# Altium PCB Lancelot.PcbDoc (part 7 of 14)
Units mil, origin at the board's own origin, x right, y up, seen from the top; angles counter-clockwise.
Board outline 4837.61 x 3252.61 mil, 6 copper layers (Top Layer, Mid-Layer 1, Mid-Layer 2, Mid-Layer 3, Mid-Layer 4, Bottom Layer); 372 components, 275 nets, 2062 pads, 1350 vias.
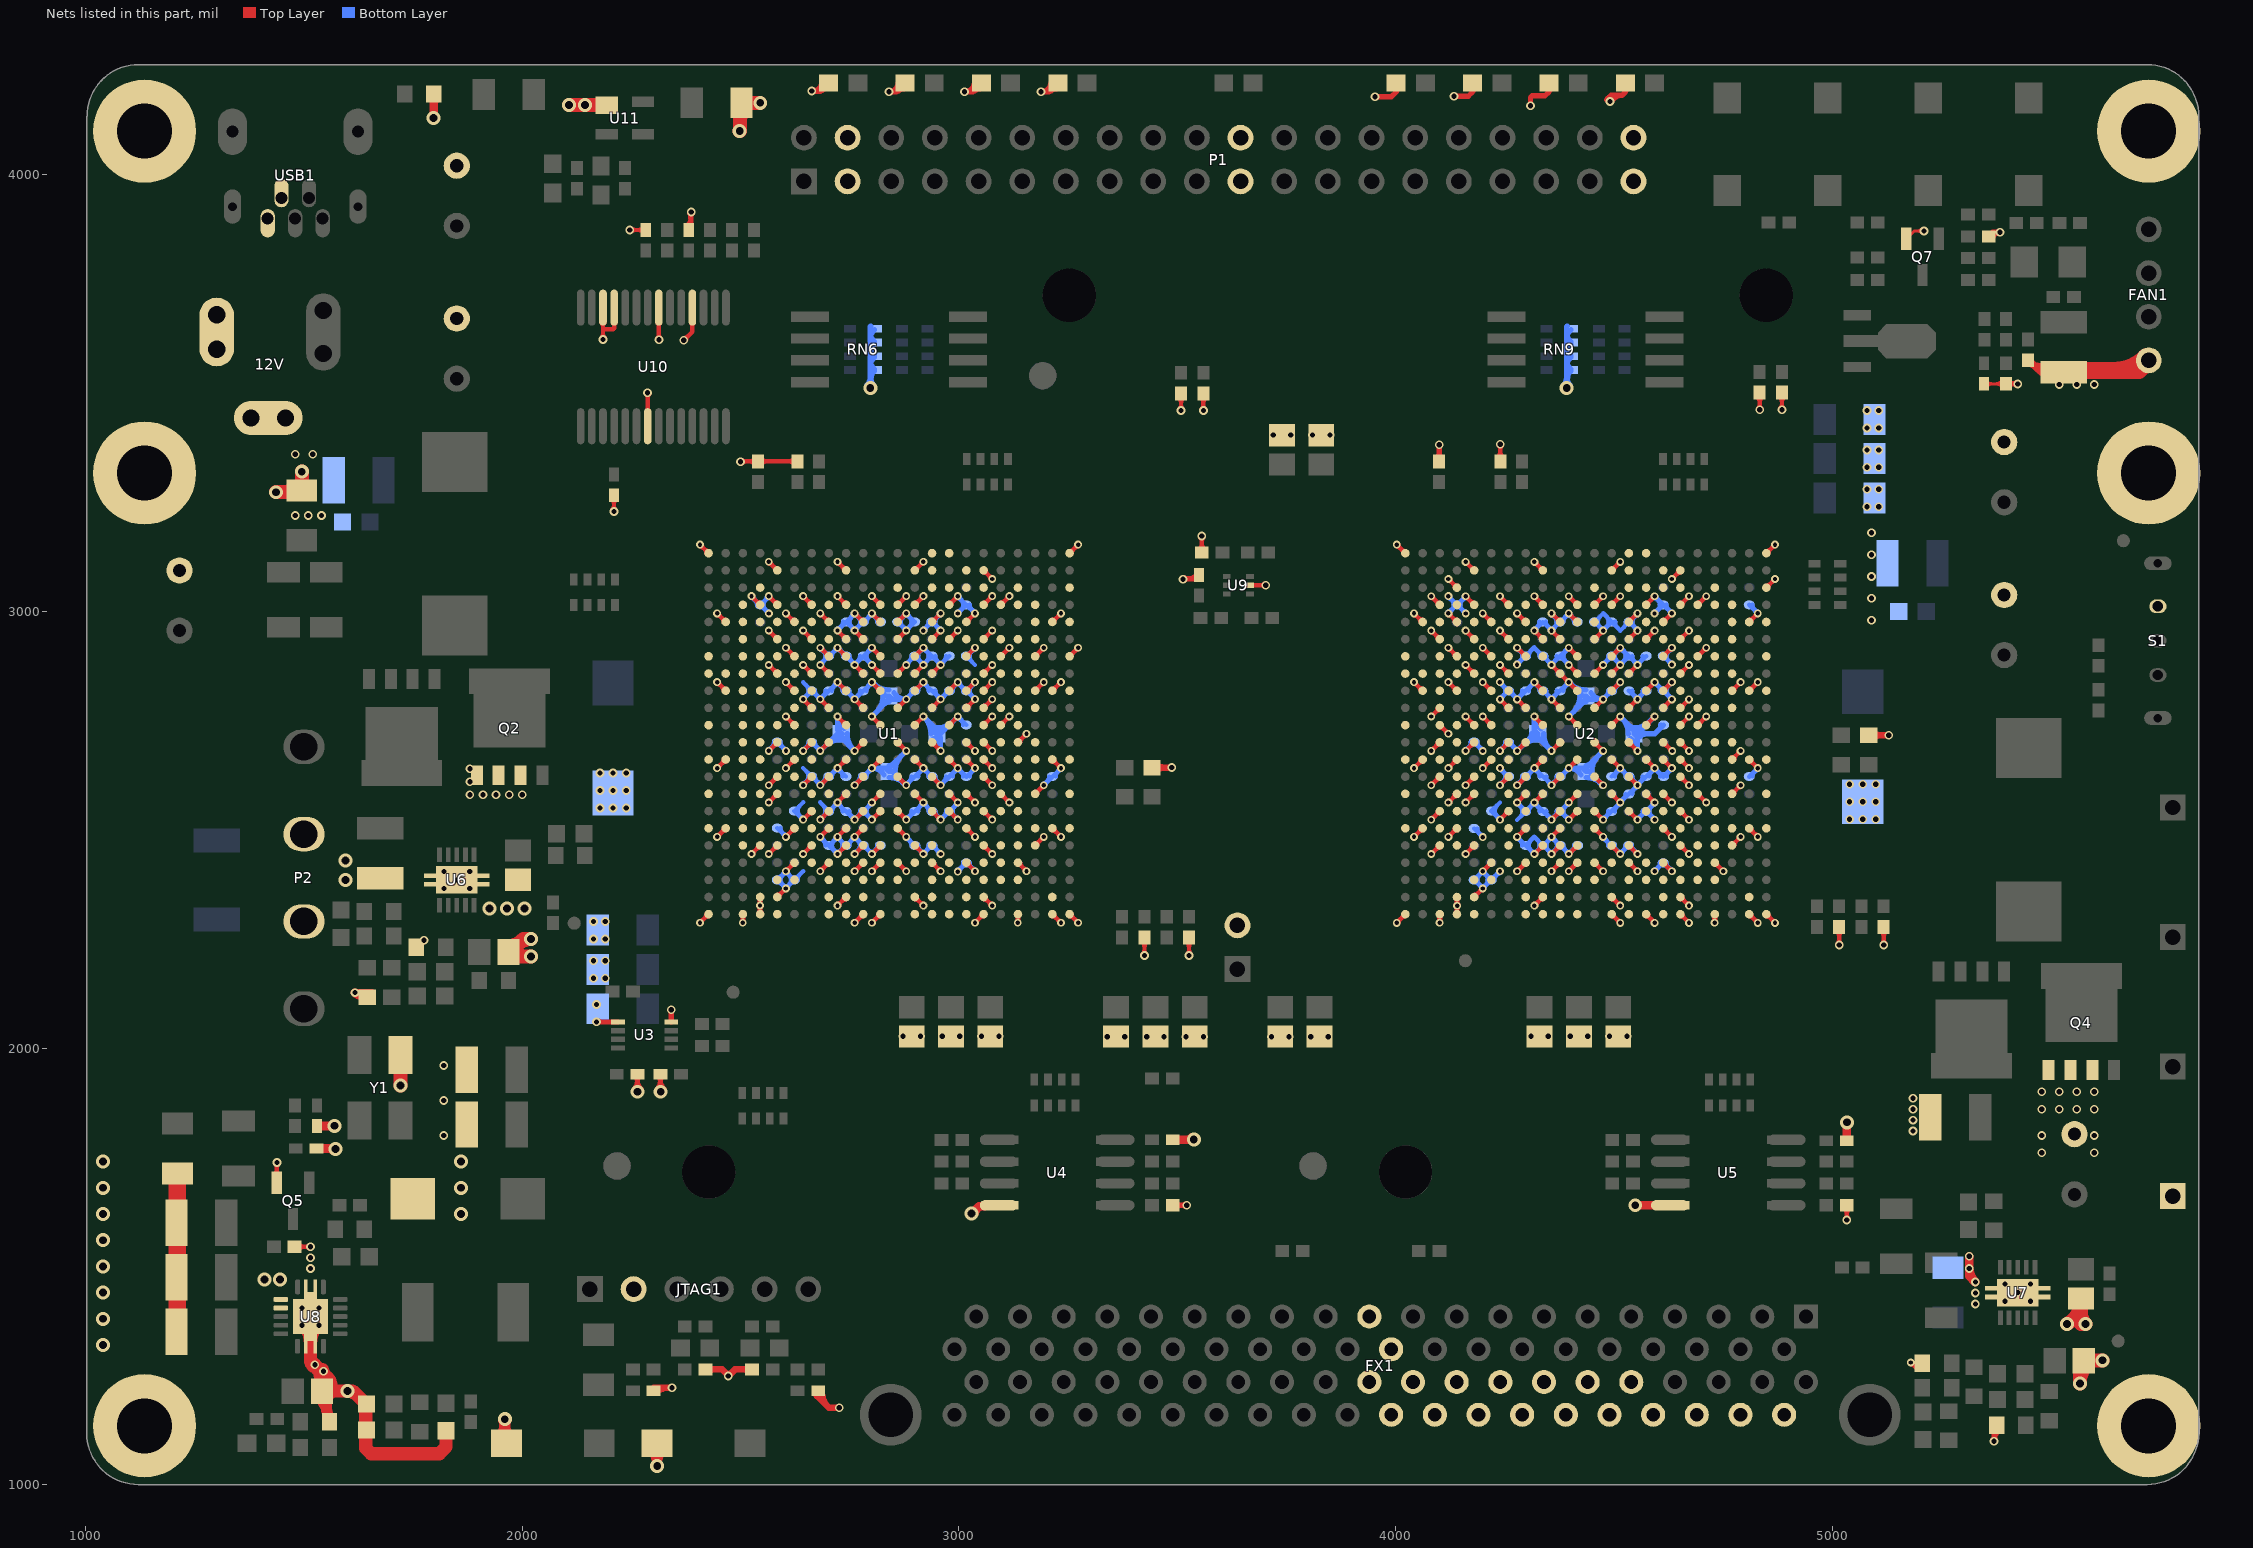
[diagram p11: the nets of this part, all layers, seen from the top]

## Via types
v1: diameter 18, hole 10, Top Layer to Bottom Layer, tented both sides, 625 vias
v2: diameter 20, hole 12, Top Layer to Bottom Layer, tented both sides, 515 vias
v3: diameter 32, hole 18, Top Layer to Bottom Layer, tented both sides, 191 vias
v4: diameter 23.62, hole 11.81, Top Layer to Bottom Layer, tented bottom, 10 vias
v5: diameter 19.68, hole 11.81, Top Layer to Bottom Layer, tented bottom, 4 vias
v6: diameter 118.11, hole 118.11, Top Layer to Bottom Layer, tented bottom, 2 vias
v7: diameter 78.74, hole 78.74, Top Layer to Bottom Layer, tented bottom, 2 vias
v8: diameter 50, hole 28, Top Layer to Bottom Layer, tented both sides, 1 vias

## Nets (pads, with @x,y where several pads share a name; then routed paths per layer and width w, separated by ;. In a path a pad name is that pad's centre, name@x,y a point inside that pad or via, vN(x,y) a via of type N, cw(c..) or ccw(c..) an arc to the next point about the centre after c; other vN are vias at no path point) (continued)
GND: (continued)
  Top Layer w10: U2.AA4@4137.29,2342.49 cw(c4129.03,2334.22) 4140.72,2334.22 cw(c4152.41,2334.22) U2.AA4@4144.14,2342.49 ; v1@4138.01,2328.66 ccw(c4131.3,2334.64) U2.AA4@4139.98,2336.97 ; v1@4140.72,2326.28 U2.AA4@4140.72,2345.91 ; U2.AA4@4140.72,2336.34 ccw(c4151.34,2336.34) v1@4143.83,2328.83 ; 4141.21,2336.05 ccw(c4147.62,2334.33) v1@4143.49,2329.13 ; v1(4160.4,2444.34) U2.V5@4180.09,2464.02 ; v1@4160.4,2448.34 ccw(c4160.4,2457.99) 4167.23,2451.17 ccw(c4174.06,2444.34) v1@4164.4,2444.34 ; v1(4160.4,2562.45) U2.R5@4180.09,2582.13 ; v1@4160.4,2566.45 ccw(c4160.4,2576.1) 4167.23,2569.28 ccw(c4174.06,2562.45) v1@4164.4,2562.45 ; v1(4160.4,2601.82) U2.P5@4180.09,2621.5 ; v1@4160.4,2605.82 ccw(c4160.4,2615.47) 4167.23,2608.65 ccw(c4174.06,2601.82) v1@4164.4,2601.82 ; v1(4160.4,2680.56) U2.M5@4180.09,2700.24 ; v1@4160.4,2684.56 ccw(c4160.4,2694.22) 4167.23,2687.39 ccw(c4174.06,2680.56) v1@4164.4,2680.56 ; v1@4160.4,2755.3 cw(c4160.4,2745.64) 4167.23,2752.47 cw(c4174.06,2759.3) v1@4164.4,2759.3 ; v1(4160.4,2759.3) U2.L5@4180.09,2739.61 ; v1@4160.4,2873.41 cw(c4160.4,2863.75) 4167.23,2870.58 cw(c4174.06,2877.41) v1@4164.4,2877.41 ; v1(4160.4,2877.41) U2.H5@4180.09,2857.72 ; v1@4160.4,2952.15 cw(c4160.4,2942.49) 4167.23,2949.32 cw(c4174.06,2956.15) v1@4164.4,2956.15 ; v1(4160.4,2956.15) U2.F5@4180.09,2936.46 ; v1@4160.4,3030.89 cw(c4160.4,3021.23) 4167.23,3028.06 cw(c4174.06,3034.89) v1@4164.4,3034.89 ; v1(4160.4,3034.89) U2.D5@4180.09,3015.2 ; v1@4160.4,3109.63 cw(c4160.4,3099.97) 4167.23,3106.8 cw(c4174.06,3113.63) v1@4164.4,3113.63 ; v1(4160.4,3113.63) U2.B5@4180.09,3093.94 ; U2.V5@4175.24,2464.02 cw(c4163.55,2464.02) 4171.82,2455.76 cw(c4180.09,2447.49) U2.V5@4180.09,2459.18 ; U2.R5@4175.24,2582.13 cw(c4163.55,2582.13) 4171.82,2573.87 cw(c4180.09,2565.6) U2.R5@4180.09,2577.29 ; U2.P5@4175.24,2621.5 cw(c4163.55,2621.5) 4171.82,2613.24 cw(c4180.09,2604.97) U2.P5@4180.09,2616.66 ; U2.M5@4175.24,2700.24 cw(c4163.55,2700.24) 4171.82,2691.98 cw(c4180.09,2683.71) U2.M5@4180.09,2695.4 ; U2.L5@4175.24,2739.61 ccw(c4163.55,2739.61) 4171.82,2747.88 ccw(c4180.09,2756.15) U2.L5@4180.09,2744.46 ; U2.H5@4175.24,2857.72 ccw(c4163.55,2857.72) 4171.82,2865.99 ccw(c4180.09,2874.26) U2.H5@4180.09,2862.57 ; U2.F5@4175.24,2936.46 ccw(c4163.55,2936.46) 4171.82,2944.73 ccw(c4180.09,2953) U2.F5@4180.09,2941.31 ; U2.D5@4175.24,3015.2 ccw(c4163.55,3015.2) 4171.82,3023.47 ccw(c4180.09,3031.74) U2.D5@4180.09,3020.05 ; U2.B5@4175.24,3093.94 ccw(c4163.55,3093.94) 4171.82,3102.21 ccw(c4180.09,3110.48) U2.B5@4180.09,3098.79 ; U2.AA5@4180.09,2345.91 v1(4199.77,2365.6) ; U2.AA5@4180.09,2350.76 ccw(c4180.09,2362.45) 4188.35,2354.18 ccw(c4196.62,2345.91) U2.AA5@4184.93,2345.91 ; v1@4195.77,2365.6 cw(c4186.12,2365.6) 4192.94,2358.77 cw(c4199.77,2351.94) v1@4199.77,2361.6 ; v1(4199.77,2404.97) U2.W6@4219.46,2424.65 ; v1@4199.77,2408.97 ccw(c4199.77,2418.62) 4206.6,2411.8 ccw(c4213.43,2404.97) v1@4203.77,2404.97 ; v1(4199.77,2641.19) U2.N6@4219.46,2660.87 ; v1@4199.77,2645.19 ccw(c4199.77,2654.84) 4206.6,2648.02 ccw(c4213.43,2641.19) v1@4203.77,2641.19 ; v1@4199.77,2755.3 cw(c4199.77,2745.64) 4206.6,2752.47 cw(c4213.43,2759.3) v1@4203.77,2759.3 ; v1(4199.77,2759.3) U2.L6@4219.46,2739.61 ; v1@4199.77,2834.04 cw(c4199.77,2824.38) 4206.6,2831.21 cw(c4213.43,2838.04) v1@4203.77,2838.04 ; v1(4199.77,2838.04) U2.J6@4219.46,2818.35 ; v1@4199.77,2912.78 cw(c4199.77,2903.12) 4206.6,2909.95 cw(c4213.43,2916.78) v1@4203.77,2916.78 ; v1(4199.77,2916.78) U2.G6@4219.46,2897.09 ; v1@4199.77,2991.52 cw(c4199.77,2981.86) 4206.6,2988.69 cw(c4213.43,2995.52) v1@4203.77,2995.52 ; v1(4199.77,2995.52) U2.E6@4219.46,2975.83 ; U2.W6@4214.61,2424.65 cw(c4202.92,2424.65) 4211.19,2416.39 cw(c4219.46,2408.12) U2.W6@4219.46,2419.81 ; U2.N6@4214.61,2660.87 cw(c4202.92,2660.87) 4211.19,2652.61 cw(c4219.46,2644.34) U2.N6@4219.46,2656.03 ; U2.L6@4214.61,2739.61 ccw(c4202.92,2739.61) 4211.19,2747.88 ccw(c4219.46,2756.15) U2.L6@4219.46,2744.46 ; U2.J6@4214.61,2818.35 ccw(c4202.92,2818.35) 4211.19,2826.62 ccw(c4219.46,2834.89) U2.J6@4219.46,2823.2 ; U2.G6@4214.61,2897.09 ccw(c4202.92,2897.09) 4211.19,2905.36 ccw(c4219.46,2913.63) U2.G6@4219.46,2901.94 ; U2.E6@4214.61,2975.83 ccw(c4202.92,2975.83) 4211.19,2984.1 ccw(c4219.46,2992.37) U2.E6@4219.46,2980.68 ; R88.2@4233.79,3351.8 ccw(c4218.8,3366.79) 4240,3366.79 ccw(c4261.2,3366.79) R88.2@4246.21,3351.8 ; v2@4236.46,3379.46 cw(c4227.93,3370.93) 4240,3370.93 cw(c4252.07,3370.93) v2@4243.54,3379.46 ; v1(4239.14,2523.08) U2.T7@4258.83,2542.76 ; v1@4239.14,2527.08 ccw(c4239.14,2536.73) 4245.97,2529.91 ccw(c4252.8,2523.08) v1@4243.14,2523.08 ; v1(4239.14,2601.82) U2.P7@4258.83,2621.5 ; v1@4239.14,2605.82 ccw(c4239.14,2615.47) 4245.97,2608.65 ccw(c4252.8,2601.82) v1@4243.14,2601.82 ; v1(4239.14,2680.56) U2.M7@4258.83,2700.24 ; v1@4239.14,2684.56 ccw(c4239.14,2694.22) 4245.97,2687.39 ccw(c4252.8,2680.56) v1@4243.14,2680.56 ; v1@4239.14,2794.67 cw(c4239.14,2785.01) 4245.97,2791.84 cw(c4252.8,2798.67) v1@4243.14,2798.67 ; v1(4239.14,2798.67) U2.K7@4258.83,2778.98 ; v1@4239.14,2873.41 cw(c4239.14,2863.75) 4245.97,2870.58 cw(c4252.8,2877.41) v1@4243.14,2877.41 ; v1(4239.14,2877.41) U2.H7@4258.83,2857.72 ; v1@4239.14,2952.15 cw(c4239.14,2942.49) 4245.97,2949.32 cw(c4252.8,2956.15) v1@4243.14,2956.15 ; v1(4239.14,2956.15) U2.F7@4258.83,2936.46 ; v1@4239.14,3030.89 cw(c4239.14,3021.23) 4245.97,3028.06 cw(c4252.8,3034.89) v1@4243.14,3034.89 ; v1(4239.14,3034.89) U2.D7@4258.83,3015.2 ; R88.2@4240,3343.62 v2(4240,3383) ; U2.T7@4253.98,2542.76 cw(c4242.29,2542.76) 4250.56,2534.5 cw(c4258.83,2526.23) U2.T7@4258.83,2537.92 ; U2.P7@4253.98,2621.5 cw(c4242.29,2621.5) 4250.56,2613.24 cw(c4258.83,2604.97) U2.P7@4258.83,2616.66 ; U2.M7@4253.98,2700.24 cw(c4242.29,2700.24) 4250.56,2691.98 cw(c4258.83,2683.71) U2.M7@4258.83,2695.4 ; U2.K7@4253.98,2778.98 ccw(c4242.29,2778.98) 4250.56,2787.25 ccw(c4258.83,2795.52) U2.K7@4258.83,2783.83 ; U2.H7@4253.98,2857.72 ccw(c4242.29,2857.72) 4250.56,2865.99 ccw(c4258.83,2874.26) U2.H7@4258.83,2862.57 ; U2.F7@4253.98,2936.46 ccw(c4242.29,2936.46) 4250.56,2944.73 ccw(c4258.83,2953) U2.F7@4258.83,2941.31 ; U2.D7@4253.98,3015.2 ccw(c4242.29,3015.2) 4250.56,3023.47 ccw(c4258.83,3031.74) U2.D7@4258.83,3020.05 ; v1(4278.51,2404.97) U2.W8@4298.2,2424.65 ; v1@4278.51,2408.97 ccw(c4278.51,2418.62) 4285.34,2411.8 ccw(c4292.17,2404.97) v1@4282.51,2404.97 ; v1(4278.51,2483.71) U2.U8@4298.2,2503.39 ; v1@4278.51,2487.71 ccw(c4278.51,2497.36) 4285.34,2490.54 ccw(c4292.17,2483.71) v1@4282.51,2483.71 ; v1(4278.51,2562.45) U2.R8@4298.2,2582.13 ; v1@4278.51,2566.45 ccw(c4278.51,2576.1) 4285.34,2569.28 ccw(c4292.17,2562.45) v1@4282.51,2562.45 ; v1(4278.51,2601.82) U2.P8@4298.2,2621.5 ; v1@4278.51,2605.82 ccw(c4278.51,2615.47) 4285.34,2608.65 ccw(c4292.17,2601.82) v1@4282.51,2601.82 ; v1(4278.51,2680.56) U2.M8@4298.2,2700.24 ; v1@4278.51,2684.56 ccw(c4278.51,2694.22) 4285.34,2687.39 ccw(c4292.17,2680.56) v1@4282.51,2680.56 ; v1@4278.51,2794.67 cw(c4278.51,2785.01) 4285.34,2791.84 cw(c4292.17,2798.67) v1@4282.51,2798.67 ; v1(4278.51,2798.67) U2.K8@4298.2,2778.98 ; v1@4278.51,2912.78 cw(c4278.51,2903.12) 4285.34,2909.95 cw(c4292.17,2916.78) v1@4282.51,2916.78 ; v1(4278.51,2916.78) U2.G8@4298.2,2897.09 ; v1@4278.51,2991.52 cw(c4278.51,2981.86) 4285.34,2988.69 cw(c4292.17,2995.52) v1@4282.51,2995.52 ; v1(4278.51,2995.52) U2.E8@4298.2,2975.83 ; U2.W8@4293.35,2424.65 cw(c4281.66,2424.65) 4289.93,2416.39 cw(c4298.2,2408.12) U2.W8@4298.2,2419.81 ; U2.U8@4293.35,2503.39 cw(c4281.66,2503.39) 4289.93,2495.13 cw(c4298.2,2486.86) U2.U8@4298.2,2498.55 ; U2.R8@4293.35,2582.13 cw(c4281.66,2582.13) 4289.93,2573.87 cw(c4298.2,2565.6) U2.R8@4298.2,2577.29 ; U2.P8@4293.35,2621.5 cw(c4281.66,2621.5) 4289.93,2613.24 cw(c4298.2,2604.97) U2.P8@4298.2,2616.66 ; U2.M8@4293.35,2700.24 cw(c4281.66,2700.24) 4289.93,2691.98 cw(c4298.2,2683.71) U2.M8@4298.2,2695.4 ; U2.K8@4293.35,2778.98 ccw(c4281.66,2778.98) 4289.93,2787.25 ccw(c4298.2,2795.52) U2.K8@4298.2,2783.83 ; U2.G8@4293.35,2897.09 ccw(c4281.66,2897.09) 4289.93,2905.36 ccw(c4298.2,2913.63) U2.G8@4298.2,2901.94 ; U2.E8@4293.35,2975.83 ccw(c4281.66,2975.83) 4289.93,2984.1 ccw(c4298.2,2992.37) U2.E8@4298.2,2980.68 ; v1(4317.88,2326.23) U2.AA9@4337.57,2345.91 ; v1@4317.88,2330.23 ccw(c4317.88,2339.88) 4324.71,2333.06 ccw(c4331.54,2326.23) v1@4321.88,2326.23 ; v1(4317.88,2444.34) U2.V9@4337.57,2464.02 ; v1@4317.88,2448.34 ccw(c4317.88,2457.99) 4324.71,2451.17 ccw(c4331.54,2444.34) v1@4321.88,2444.34 ; v1(4317.88,2562.45) U2.R9@4337.57,2582.13 ; v1@4317.88,2566.45 ccw(c4317.88,2576.1) 4324.71,2569.28 ccw(c4331.54,2562.45) v1@4321.88,2562.45 ; v1(4317.88,2641.19) U2.N9@4337.57,2660.87 ; v1@4317.88,2645.19 ccw(c4317.88,2654.84) 4324.71,2648.02 ccw(c4331.54,2641.19) v1@4321.88,2641.19 ; v1@4317.88,2755.3 cw(c4317.88,2745.64) 4324.71,2752.47 cw(c4331.54,2759.3) v1@4321.88,2759.3 ; v1(4317.88,2759.3) U2.L9@4337.57,2739.61 ; v1@4317.88,2834.04 cw(c4317.88,2824.38) 4324.71,2831.21 cw(c4331.54,2838.04) v1@4321.88,2838.04 ; v1(4317.88,2838.04) U2.J9@4337.57,2818.35 ; v1@4317.88,2952.15 cw(c4317.88,2942.49) 4324.71,2949.32 cw(c4331.54,2956.15) v1@4321.88,2956.15 ; v1(4317.88,2956.15) U2.F9@4337.57,2936.46 ; v1@4317.88,3030.89 cw(c4317.88,3021.23) 4324.71,3028.06 cw(c4331.54,3034.89) v1@4321.88,3034.89 ; v1(4317.88,3034.89) U2.D9@4337.57,3015.2 ; v1@4317.88,3109.63 cw(c4317.88,3099.97) 4324.71,3106.8 cw(c4331.54,3113.63) v1@4321.88,3113.63 ; v1(4317.88,3113.63) U2.B9@4337.57,3093.94 ; U2.AA9@4332.72,2345.91 cw(c4321.03,2345.91) 4329.3,2337.65 cw(c4337.57,2329.38) U2.AA9@4337.57,2341.07 ; U2.V9@4332.72,2464.02 cw(c4321.03,2464.02) 4329.3,2455.76 cw(c4337.57,2447.49) U2.V9@4337.57,2459.18 ; U2.R9@4332.72,2582.13 cw(c4321.03,2582.13) 4329.3,2573.87 cw(c4337.57,2565.6) U2.R9@4337.57,2577.29 ; U2.N9@4332.72,2660.87 cw(c4321.03,2660.87) 4329.3,2652.61 cw(c4337.57,2644.34) U2.N9@4337.57,2656.03 ; U2.L9@4332.72,2739.61 ccw(c4321.03,2739.61) 4329.3,2747.88 ccw(c4337.57,2756.15) U2.L9@4337.57,2744.46 ; U2.J9@4332.72,2818.35 ccw(c4321.03,2818.35) 4329.3,2826.62 ccw(c4337.57,2834.89) U2.J9@4337.57,2823.2 ; U2.F9@4332.72,2936.46 ccw(c4321.03,2936.46) 4329.3,2944.73 ccw(c4337.57,2953) U2.F9@4337.57,2941.31 ; U2.D9@4332.72,3015.2 ccw(c4321.03,3015.2) 4329.3,3023.47 ccw(c4337.57,3031.74) U2.D9@4337.57,3020.05 ; U2.B9@4332.72,3093.94 ccw(c4321.03,3093.94) 4329.3,3102.21 ccw(c4337.57,3110.48) U2.B9@4337.57,3098.79 ; v1(4357.25,2404.97) U2.W10@4376.94,2424.65 ; v1@4357.25,2408.97 ccw(c4357.25,2418.62) 4364.08,2411.8 ccw(c4370.91,2404.97) v1@4361.25,2404.97 ; v1(4357.25,2444.34) U2.V10@4376.94,2464.02 ; v1@4357.25,2448.34 ccw(c4357.25,2457.99) 4364.08,2451.17 ccw(c4370.91,2444.34) v1@4361.25,2444.34 ; v1(4357.25,2483.71) U2.U10@4376.94,2503.39 ; v1@4357.25,2487.71 ccw(c4357.25,2497.36) 4364.08,2490.54 ccw(c4370.91,2483.71) v1@4361.25,2483.71 ; v1(4357.25,2523.08) U2.T10@4376.94,2542.76 ; v1@4357.25,2527.08 ccw(c4357.25,2536.73) 4364.08,2529.91 ccw(c4370.91,2523.08) v1@4361.25,2523.08 ; v1(4357.25,2601.82) U2.P10@4376.94,2621.5 ; v1@4357.25,2605.82 ccw(c4357.25,2615.47) 4364.08,2608.65 ccw(c4370.91,2601.82) v1@4361.25,2601.82 ; v1(4357.25,2680.56) U2.M10@4376.94,2700.24 ; v1@4357.25,2684.56 ccw(c4357.25,2694.22) 4364.08,2687.39 ccw(c4370.91,2680.56) v1@4361.25,2680.56 ; v1@4357.25,2794.67 cw(c4357.25,2785.01) 4364.08,2791.84 cw(c4370.91,2798.67) v1@4361.25,2798.67 ; v1(4357.25,2798.67) U2.K10@4376.94,2778.98 ; v1@4357.25,2873.41 cw(c4357.25,2863.75) 4364.08,2870.58 cw(c4370.91,2877.41) v1@4361.25,2877.41 ; v1(4357.25,2877.41) U2.H10@4376.94,2857.72 v1(4396.62,2838.04) U2.J11@4416.31,2818.35 ; v1@4357.25,2952.15 cw(c4357.25,2942.49) 4364.08,2949.32 cw(c4370.91,2956.15) v1@4361.25,2956.15 ; v1(4357.25,2956.15) U2.F10@4376.94,2936.46 ; v1@4357.25,2991.52 cw(c4357.25,2981.86) 4364.08,2988.69 cw(c4370.91,2995.52) v1@4361.25,2995.52 ; v1(4357.25,2995.52) U2.E10@4376.94,2975.83 ; U2.W10@4372.09,2424.65 cw(c4360.4,2424.65) 4368.67,2416.39 cw(c4376.94,2408.12) U2.W10@4376.94,2419.81 ; U2.V10@4372.09,2464.02 cw(c4360.4,2464.02) 4368.67,2455.76 cw(c4376.94,2447.49) U2.V10@4376.94,2459.18 ; U2.U10@4372.09,2503.39 cw(c4360.4,2503.39) 4368.67,2495.13 cw(c4376.94,2486.86) U2.U10@4376.94,2498.55 ; U2.T10@4372.09,2542.76 cw(c4360.4,2542.76) 4368.67,2534.5 cw(c4376.94,2526.23) U2.T10@4376.94,2537.92 ; U2.P10@4372.09,2621.5 cw(c4360.4,2621.5) 4368.67,2613.24 cw(c4376.94,2604.97) U2.P10@4376.94,2616.66 ; U2.M10@4372.09,2700.24 cw(c4360.4,2700.24) 4368.67,2691.98 cw(c4376.94,2683.71) U2.M10@4376.94,2695.4 ; U2.K10@4372.09,2778.98 ccw(c4360.4,2778.98) 4368.67,2787.25 ccw(c4376.94,2795.52) U2.K10@4376.94,2783.83 ; U2.H10@4372.09,2857.72 ccw(c4360.4,2857.72) 4368.67,2865.99 ccw(c4376.94,2874.26) U2.H10@4376.94,2862.57 ; U2.F10@4372.09,2936.46 ccw(c4360.4,2936.46) 4368.67,2944.73 ccw(c4376.94,2953) U2.F10@4376.94,2941.31 ; U2.E10@4372.09,2975.83 ccw(c4360.4,2975.83) 4368.67,2984.1 ccw(c4376.94,2992.37) U2.E10@4376.94,2980.68 ; U2.H10@4376.94,2852.88 cw(c4376.94,2841.19) 4385.2,2849.46 cw(c4393.47,2857.72) U2.H10@4381.78,2857.72 ; v1@4392.62,2838.04 ccw(c4382.96,2838.04) 4389.79,2844.87 ccw(c4396.62,2851.7) v1@4396.62,2842.04 ; v1(4396.62,2404.97) U2.W11@4416.31,2424.65 ; v1@4396.62,2408.97 ccw(c4396.62,2418.62) 4403.45,2411.8 ccw(c4410.28,2404.97) v1@4400.62,2404.97 ; v1(4396.62,2444.34) U2.V11@4416.31,2464.02 ; v1@4396.62,2448.34 ccw(c4396.62,2457.99) 4403.45,2451.17 ccw(c4410.28,2444.34) v1@4400.62,2444.34 ; v1(4396.62,2523.08) U2.T11@4416.31,2542.76 ; v1@4396.62,2527.08 ccw(c4396.62,2536.73) 4403.45,2529.91 ccw(c4410.28,2523.08) v1@4400.62,2523.08 ; v1(4396.62,2562.45) U2.R11@4416.31,2582.13 ; v1@4396.62,2566.45 ccw(c4396.62,2576.1) 4403.45,2569.28 ccw(c4410.28,2562.45) v1@4400.62,2562.45 ; v1(4396.62,2641.19) U2.N11@4416.31,2660.87 ; v1@4396.62,2645.19 ccw(c4396.62,2654.84) 4403.45,2648.02 ccw(c4410.28,2641.19) v1@4400.62,2641.19 ; v1@4396.62,2755.3 cw(c4396.62,2745.64) 4403.45,2752.47 cw(c4410.28,2759.3) v1@4400.62,2759.3 ; v1(4396.62,2759.3) U2.L11@4416.31,2739.61 ; v1@4396.62,2834.04 cw(c4396.62,2824.38) 4403.45,2831.21 cw(c4410.28,2838.04) v1@4400.62,2838.04 ; v1@4396.62,2873.41 cw(c4396.62,2863.75) 4403.45,2870.58 cw(c4410.28,2877.41) v1@4400.62,2877.41 ; v1(4396.62,2877.41) U2.H11@4416.31,2857.72 ; v1@4396.62,2912.78 cw(c4396.62,2903.12) 4403.45,2909.95 cw(c4410.28,2916.78) v1@4400.62,2916.78 ; v1(4396.62,2916.78) U2.G11@4416.31,2897.09 ; v1@4396.62,2991.52 cw(c4396.62,2981.86) 4403.45,2988.69 cw(c4410.28,2995.52) v1@4400.62,2995.52 ; v1(4396.62,2995.52) U2.E11@4416.31,2975.83 ; v1@4396.62,3030.89 cw(c4396.62,3021.23) 4403.45,3028.06 cw(c4410.28,3034.89) v1@4400.62,3034.89 ; v1(4396.62,3034.89) U2.D11@4416.31,3015.2 ; U2.W11@4411.46,2424.65 cw(c4399.77,2424.65) 4408.04,2416.39 cw(c4416.31,2408.12) U2.W11@4416.31,2419.81 ; U2.V11@4411.46,2464.02 cw(c4399.77,2464.02) 4408.04,2455.76 cw(c4416.31,2447.49) U2.V11@4416.31,2459.18 ; U2.T11@4411.46,2542.76 cw(c4399.77,2542.76) 4408.04,2534.5 cw(c4416.31,2526.23) U2.T11@4416.31,2537.92 ; U2.R11@4411.46,2582.13 cw(c4399.77,2582.13) 4408.04,2573.87 cw(c4416.31,2565.6) U2.R11@4416.31,2577.29 ; U2.N11@4411.46,2660.87 cw(c4399.77,2660.87) 4408.04,2652.61 cw(c4416.31,2644.34) U2.N11@4416.31,2656.03 ; U2.L11@4411.46,2739.61 ccw(c4399.77,2739.61) 4408.04,2747.88 ccw(c4416.31,2756.15) U2.L11@4416.31,2744.46 ; U2.J11@4411.46,2818.35 ccw(c4399.77,2818.35) 4408.04,2826.62 ccw(c4416.31,2834.89) U2.J11@4416.31,2823.2 ; U2.H11@4411.46,2857.72 ccw(c4399.77,2857.72) 4408.04,2865.99 ccw(c4416.31,2874.26) U2.H11@4416.31,2862.57 ; U2.G11@4411.46,2897.09 ccw(c4399.77,2897.09) 4408.04,2905.36 ccw(c4416.31,2913.63) U2.G11@4416.31,2901.94 ; U2.E11@4411.46,2975.83 ccw(c4399.77,2975.83) 4408.04,2984.1 ccw(c4416.31,2992.37) U2.E11@4416.31,2980.68 ; U2.D11@4411.46,3015.2 ccw(c4399.77,3015.2) 4408.04,3023.47 ccw(c4416.31,3031.74) U2.D11@4416.31,3020.05 ; U2.W12@4455.68,2419.81 cw(c4455.68,2408.12) 4463.94,2416.39 cw(c4472.21,2424.65) U2.W12@4460.52,2424.65 ; U2.W12@4455.68,2424.65 v1(4475.36,2404.97) ; U2.U12@4455.68,2498.55 cw(c4455.68,2486.86) 4463.94,2495.13 cw(c4472.21,2503.39) U2.U12@4460.52,2503.39 ; U2.U12@4455.68,2503.39 v1(4475.36,2483.71) ; U2.T12@4455.68,2537.92 cw(c4455.68,2526.23) 4463.94,2534.5 cw(c4472.21,2542.76) U2.T12@4460.52,2542.76 ; U2.T12@4455.68,2542.76 v1(4475.36,2523.08) ; U2.P12@4455.68,2616.66 cw(c4455.68,2604.97) 4463.94,2613.24 cw(c4472.21,2621.5) U2.P12@4460.52,2621.5 ; U2.P12@4455.68,2621.5 v1(4475.36,2601.82) ; U2.M12@4455.68,2695.4 cw(c4455.68,2683.71) 4463.94,2691.98 cw(c4472.21,2700.24) U2.M12@4460.52,2700.24 ; U2.M12@4455.68,2700.24 v1(4475.36,2680.56) ; U2.K12@4455.68,2778.98 v1(4475.36,2798.67) ; U2.K12@4455.68,2783.83 ccw(c4455.68,2795.52) 4463.94,2787.25 ccw(c4472.21,2778.98) U2.K12@4460.52,2778.98 ; U2.H12@4455.68,2857.72 v1(4475.36,2877.41) ; U2.H12@4455.68,2862.57 ccw(c4455.68,2874.26) 4463.94,2865.99 ccw(c4472.21,2857.72) U2.H12@4460.52,2857.72 ; U2.F12@4455.68,2936.46 v1(4475.36,2956.15) ; U2.F12@4455.68,2941.31 ccw(c4455.68,2953) 4463.94,2944.73 ccw(c4472.21,2936.46) U2.F12@4460.52,2936.46 ; U2.D12@4455.68,3015.2 v1(4475.36,3034.89) ; U2.D12@4455.68,3020.05 ccw(c4455.68,3031.74) 4463.94,3023.47 ccw(c4472.21,3015.2) U2.D12@4460.52,3015.2 ; v1@4471.36,2404.97 ccw(c4461.71,2404.97) 4468.53,2411.8 ccw(c4475.36,2418.62) v1@4475.36,2408.97 ; v1@4471.36,2483.71 ccw(c4461.71,2483.71) 4468.53,2490.54 ccw(c4475.36,2497.36) v1@4475.36,2487.71 ; v1@4471.36,2523.08 ccw(c4461.71,2523.08) 4468.53,2529.91 ccw(c4475.36,2536.73) v1@4475.36,2527.08 ; v1@4471.36,2601.82 ccw(c4461.71,2601.82) 4468.53,2608.65 ccw(c4475.36,2615.47) v1@4475.36,2605.82 ; v1@4471.36,2680.56 ccw(c4461.71,2680.56) 4468.53,2687.39 ccw(c4475.36,2694.22) v1@4475.36,2684.56 ; v1@4471.36,2798.67 cw(c4461.71,2798.67) 4468.53,2791.84 cw(c4475.36,2785.01) v1@4475.36,2794.67 ; v1@4471.36,2877.41 cw(c4461.71,2877.41) 4468.53,2870.58 cw(c4475.36,2863.75) v1@4475.36,2873.41 ; v1@4471.36,2956.15 cw(c4461.71,2956.15) 4468.53,2949.32 cw(c4475.36,2942.49) v1@4475.36,2952.15 ; v1@4471.36,3034.89 cw(c4461.71,3034.89) 4468.53,3028.06 cw(c4475.36,3021.23) v1@4475.36,3030.89 ; U2.AB13@4495.05,2301.7 cw(c4495.05,2290.01) 4503.31,2298.28 cw(c4511.58,2306.54) U2.AB13@4499.89,2306.54 ; U2.AB13@4495.05,2306.54 v1(4514.73,2286.86) ; U2.AA13@4495.05,2341.07 cw(c4495.05,2329.38) 4503.31,2337.65 cw(c4511.58,2345.91) U2.AA13@4499.89,2345.91 ; U2.AA13@4495.05,2345.91 v1(4514.73,2326.23) ; U2.V13@4495.05,2459.18 cw(c4495.05,2447.49) 4503.31,2455.76 cw(c4511.58,2464.02) U2.V13@4499.89,2464.02 ; U2.V13@4495.05,2464.02 v1(4514.73,2444.34) ; U2.R13@4495.05,2577.29 cw(c4495.05,2565.6) 4503.31,2573.87 cw(c4511.58,2582.13) U2.R13@4499.89,2582.13 ; U2.R13@4495.05,2582.13 v1(4514.73,2562.45) ; U2.N13@4495.05,2656.03 cw(c4495.05,2644.34) 4503.31,2652.61 cw(c4511.58,2660.87) U2.N13@4499.89,2660.87 ; U2.N13@4495.05,2660.87 v1(4514.73,2641.19) ; U2.L13@4495.05,2739.61 v1(4514.73,2759.3) ; U2.L13@4495.05,2744.46 ccw(c4495.05,2756.15) 4503.31,2747.88 ccw(c4511.58,2739.61) U2.L13@4499.89,2739.61 ; U2.J13@4495.05,2818.35 v1(4514.73,2838.04) ; U2.J13@4495.05,2823.2 ccw(c4495.05,2834.89) 4503.31,2826.62 ccw(c4511.58,2818.35) U2.J13@4499.89,2818.35 ; U2.H13@4495.05,2857.72 v1(4514.73,2877.41) ; U2.H13@4495.05,2862.57 ccw(c4495.05,2874.26) 4503.31,2865.99 ccw(c4511.58,2857.72) U2.H13@4499.89,2857.72 ; U2.G13@4495.05,2897.09 v1(4514.73,2916.78) ; U2.G13@4495.05,2901.94 ccw(c4495.05,2913.63) 4503.31,2905.36 ccw(c4511.58,2897.09) U2.G13@4499.89,2897.09 ; U2.D13@4495.05,3015.2 v1(4514.73,3034.89) ; U2.D13@4495.05,3020.05 ccw(c4495.05,3031.74) 4503.31,3023.47 ccw(c4511.58,3015.2) U2.D13@4499.89,3015.2 ; U2.B13@4495.05,3093.94 v1(4514.73,3113.63) ; U2.B13@4495.05,3098.79 ccw(c4495.05,3110.48) 4503.31,3102.21 ccw(c4511.58,3093.94) U2.B13@4499.89,3093.94 ; v1@4510.73,2286.86 ccw(c4501.08,2286.86) 4507.9,2293.69 ccw(c4514.73,2300.51) v1@4514.73,2290.86 ; v1@4510.73,2326.23 ccw(c4501.08,2326.23) 4507.9,2333.06 ccw(c4514.73,2339.88) v1@4514.73,2330.23 ; v1@4510.73,2444.34 ccw(c4501.08,2444.34) 4507.9,2451.17 ccw(c4514.73,2457.99) 